# Altium PCB Wl-FRONT.PcbDoc
Units mm, origin at the board's own origin, x right, y up, seen from the top; angles counter-clockwise.
Board outline 140 x 64.5 mm, 2 copper layers (Top Layer, Bottom Layer), stack 1.671 mm thick; 43 components, 42 nets, 207 pads, 150 vias.
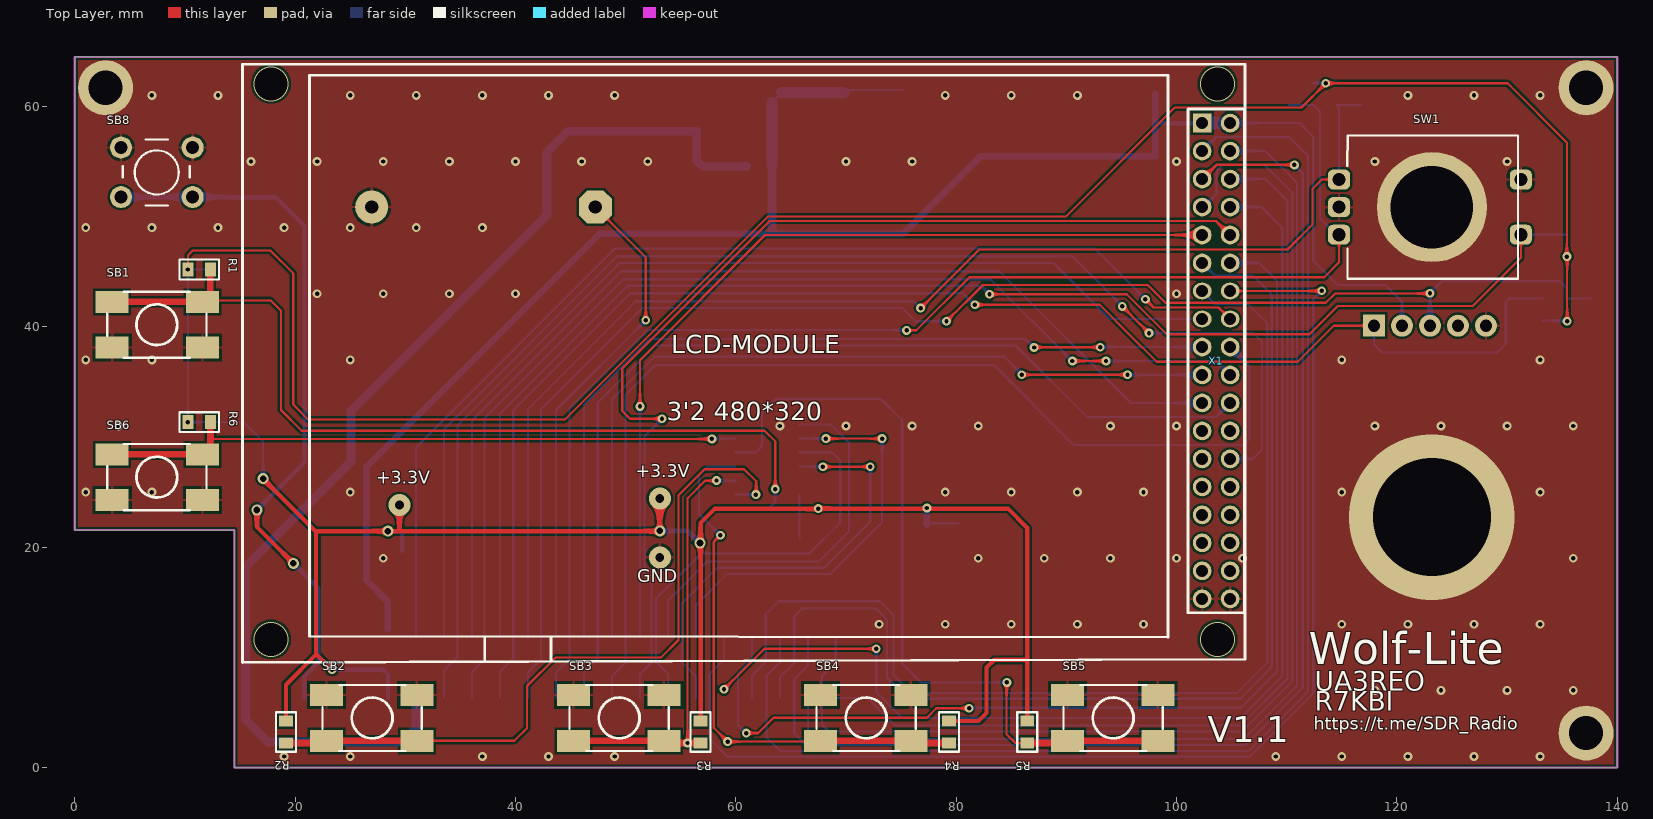
[diagram p0: Top Layer view]
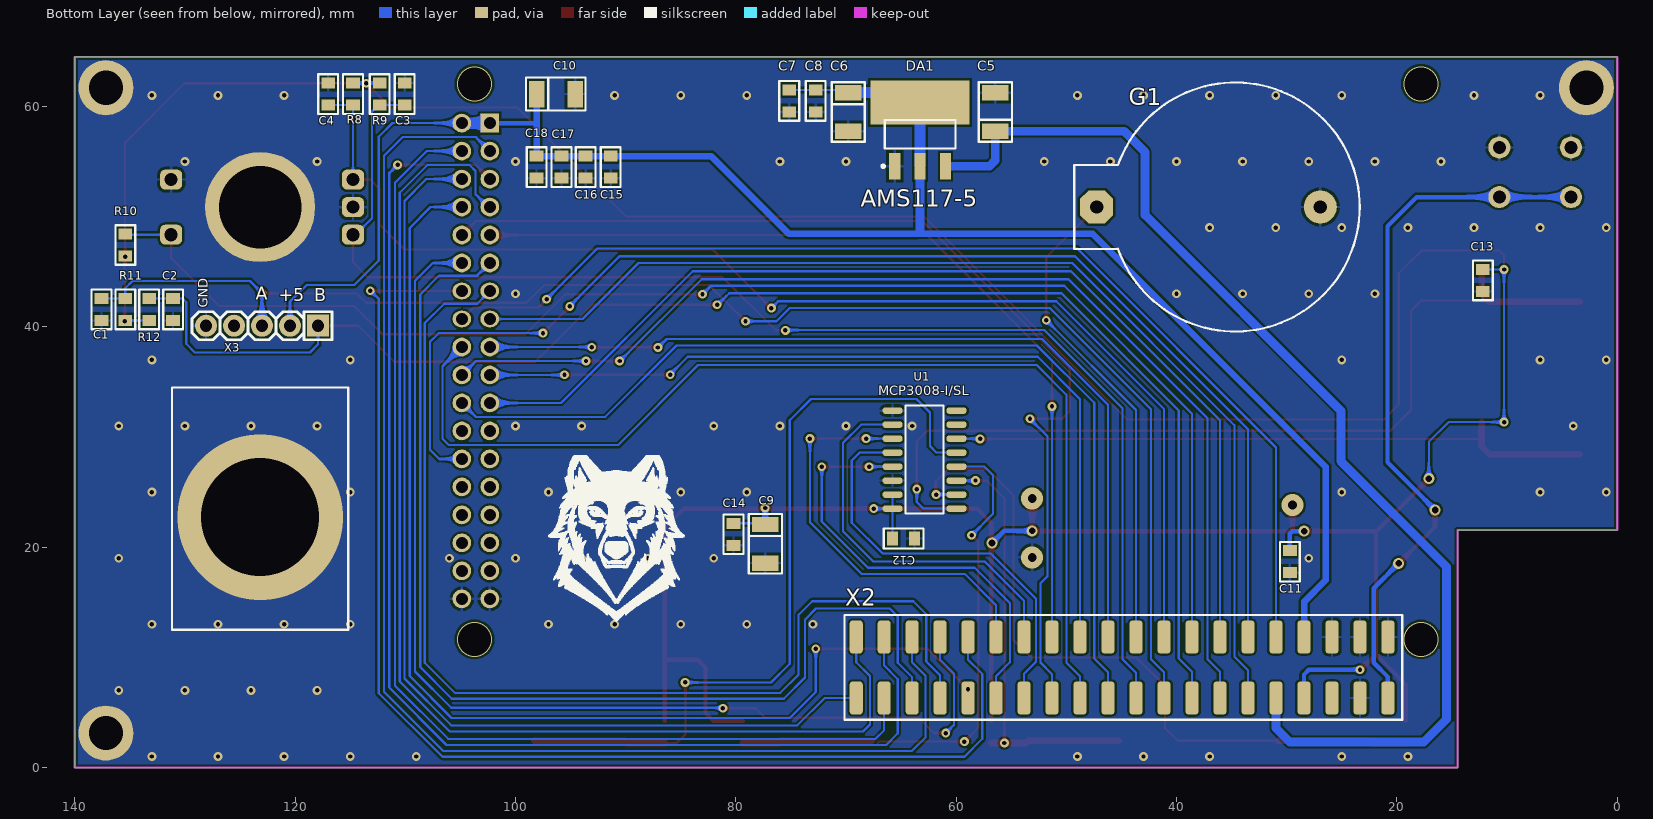
[diagram p1: Bottom Layer view, seen from below]

## Layer stack, top to bottom
Top Solder: solder mask 0.0102, Solder Resist, Dk 3.5
Top Layer: signal copper 0.0356
Dielectric 1: dielectric 1.6, FR-4, Dk 4.8
Bottom Layer: signal copper 0.0356
Bottom Solder: solder mask 0.0102, Solder Resist, Dk 3.5

## Board outline
0,21.55 0,64.5 140,64.5 140,0 14.5,0 14.5,21.55

## Design rules (kind name [scope] priority, off if disabled: settings)
Clearance [All] p1: gap=0.2 ignorepadtopadclearanceinfootprint=FALSE except(0: Arc-Hole Track-Hole SMDPad-Hole THPad-Hole Via-Hole Fill-Hole Poly-Hole Region-Hole Text-Hole)
ComponentClearance [All] p1: gap=0 collisioncheckmode=3 verticalgap=0 showdistances=FALSE
PolygonConnect [All] p1: connectstyle=Relief reliefconductorwidth=0.254 reliefentries=4 polygonreliefangle="90 Angle" airgapwidth=0.254
RoutingVias [All] p1: holewidth=0.711 width=1.27 viastyle="Through Hole" minholewidth=0.711 minwidth=1.27 maxholewidth=0.711 maxwidth=1.27
SolderMaskExpansion [All] p1: expansion=0.102 istentingtop=FALSE
Width [All] p1: maxlimit=1 minlimit=0.15 preferedwidth=0.2
29 further rules are at their usual default settings.

## Components (designator, comment, footprint, x,y, rotation, side; value= is the part's Value field where it differs from the comment)
C1 "0.1" CH0805C 137.575,41.575 r270 bottom
C2 "0.1" CH0805C 131.075,41.575 r270 bottom
C3 "0.1" CH0805C 110.05,61.125 r90 bottom
C4 "0.1" CH0805C 117,61.125 r90 bottom
C5 "10uF 10V" TANTAL_B 56.446,59.5 r90 bottom
C6 "10uF 10V" TANTAL_B 69.8,59.5 r270 bottom
C7 "0.1" CH0805C 75.15,60.5 r270 bottom
C8 "0.1" CH0805C 72.75,60.5 r270 bottom
C9 "10uF 10V" TANTAL_B 77.321,20.307 r270 bottom
C10 "10uF 10V" TANTAL_B 96.333,61.125 r180 bottom
C11 "0.1" CH0805C 29.715,18.68 r270 bottom
C12 "0.1" CH0805C 64.775,20.792 r180 bottom
C13 "0.1" CH0805C 12.202,44.214 r270 bottom
C14 "0.1" CH0805C 80.216,21.169 r270 bottom
C15 "0.1" CH0805C 91.359,54.49 r270 bottom
C16 "0.1" CH0805C 93.632,54.49 r270 bottom
C17 "0.1" CH0805C 95.816,54.49 r270 bottom
C18 "0.1" CH0805C 98.084,54.49 r270 bottom
DA1 "AMS117-5" SOT223 63.275,57.475 r90 bottom
G1 "3V" "BAT: CH224-2032" 37.1,50.875 r180 bottom
R1 "4.7K" CH0805R 11.302,45.2 r0 top
R2 "4.7K" CH0805R 19.175,3.223 r270 top
R3 "4.7K" CH0805R 56.8,3.223 r270 top
R4 "4.7K" CH0805R 79.35,3.223 r270 top
R5 "4.7K" CH0805R 86.45,3.223 r270 top
R6 "4.7K" CH0805R 11.302,31.35 r0 top
R8 "4.7k" CH0805R 114.75,61.125 r270 bottom
R9 "4.7k" CH0805R 112.325,61.125 r270 bottom
R10 "4.7k" CH0805R 135.408,47.425 r90 bottom
R11 "4.7k" CH0805R 135.408,41.575 r90 bottom
R12 "4.7k" CH0805R 133.242,41.575 r90 bottom
SB1 "\"Кнопка\"" "BUT: 6x6 SMD" 7.45,40.19 r0 top
SB2 "\"Кнопка\"" "BUT: 6x6 SMD" 26.996,4.5 r180 top
SB3 "\"Кнопка\"" "BUT: 6x6 SMD" 49.414,4.5 r180 top
SB4 "\"Кнопка\"" "BUT: 6x6 SMD" 71.832,4.5 r180 top
SB5 "\"Кнопка\"" "BUT: 6x6 SMD" 94.25,4.5 r180 top
SB6 "\"Кнопка\"" "BUT: 6x6 SMD" 7.45,26.354 r0 top
SB8 "\"Power\"" "BUT: 6x6" 7.45,54.025 r180 top
SW1 "PEC12" Valkoder-m2 123.351,51.413 r270 top
U1 "MCP3008-I/SL" 16-SOIC 62.9,27.95 r0 bottom
X1 "LCD-MODULE" TFT3.2-320x480-pin 15.039,63.879 r0 top locked
X2 "FPC 0.5" "CON: PBD2x20" 19.76,6.335 r0 bottom locked
X3 "Valcoder" "CON: PLS-5" 123,40.1 r0 bottom

## Footprints (in the part's own frame and the unit in brackets; to place one, negate y for a bottom-side part, rotate by r counter-clockwise, add the part's x,y. Pads: shape width x height; smd on the part's side, far side on the other; paste and mask are expansions set on the pad)
16-SOIC [mm]
  oval 1.85x0.6 smd: 1(-2.925,4.448) 2(-2.925,3.178) 3(-2.925,1.908) 4(-2.925,0.638) 5(-2.925,-0.632) 6(-2.925,-1.902) 7(-2.925,-3.172) 8(-2.925,-4.442) 9(2.875,-4.442) 10(2.875,-3.172) 11(2.875,-1.902) 12(2.875,-0.632) 13(2.875,0.638) 14(2.875,1.908) 15(2.875,3.178) 16(2.875,4.448)
  round 0.7 on Bottom Overlay: 10(-2.9,5.4)
  round 0.7 on Mech2: 25(-2.5,4.3)
  silkscreen extent -1.75,-4.9 1.7,4.9, body extent -3.09,-5.01 3.04,4.96, height 1.73
"BAT: CH224-2032" [mm] "Батарейный отсек для элемента 2032"
  oct 3x3 hole 1.2: 1(-10.151,0)
  round 3 hole 1.2: 2(10.152,0)
  silkscreen extent -12.19,-11.3 13.72,11.3, body extent -11.08,-11 13.42,11, height 8.5
"BUT: 6x6" [mm] "Leaded Tactile Button 6x6"
  round 2 hole 1.2: 1(-3.25,2.25) 1(3.25,2.25) 2(-3.25,-2.25) 2(3.25,-2.25)
  silkscreen extent -3,-2.99 3.1,3.01, body extent -3.15,-2.96 3.25,3.04, height 4.5
"BUT: 6x6 SMD" [mm] "Leaded Tactile Button 6x6"
  rect 3x2 smd: 1(-4.05,2.075) 1(4.15,2.075) 2(-4.05,-2.075) 2(4.15,-2.075)
  silkscreen extent -4.5,-3 4.5,3, body extent -4.5,-3 4.5,3, height 9.5
CH0805C [mm] "Chip Capacitor, 2-Leads, Body 2,00x1,20mm, IPC Medium Density"
  rect 1x1.25 smd: 1(-1,0) 2(1,0)
  silkscreen extent -1.8,-0.9 1.8,0.9, body extent -1,-0.62 1,0.63, height 0.78
CH0805R [mm]
  rect 1x1.25 smd: 1(-1,0) 2(1,0)
  silkscreen extent -1.8,-0.9 1.8,0.9, body extent -1,-0.6 1,0.6, height 0.44
"CON: PBD2x20" [mm]
  round 0.5 on Bottom Overlay: 0(-0.945,-4.715)
  rrect50% 1.2x3 smd: 1(1.055,0.025) 2(1.055,-5.515) 3(3.595,0.025) 4(3.595,-5.515) 5(6.135,0.025) 6(6.135,-5.515) 7(8.675,0.025) 8(8.675,-5.515) 9(11.215,0.025) 10(11.215,-5.515) 11(13.755,0.025) 12(13.755,-5.515) 13(16.295,0.025) 14(16.295,-5.515) 15(18.835,0.025) 16(18.835,-5.515) 17(21.375,0.025) 18(21.375,-5.515) 19(23.915,0.025) 20(23.915,-5.515) 21(26.459,0.025) 22(26.459,-5.515) 23(28.999,0.025) 24(28.999,-5.515) 25(31.539,0.025) 26(31.539,-5.515) 27(34.079,0.025) 28(34.079,-5.515) 29(36.619,0.025) 30(36.619,-5.515) 31(39.159,0.025) 32(39.159,-5.515) 33(41.699,0.025) 34(41.699,-5.515) 35(44.239,0.025) 36(44.239,-5.515) 37(46.779,0.025) 38(46.779,-5.515) 39(49.319,0.025) 40(49.319,-5.515)
  round 0.5 on Mech2: ""(0.455,-4.715)
  silkscreen extent -0.25,-7.5 50.37,2, body extent -0.25,-6.07 50.56,0.47, height 7.5
"CON: PLS-5" [mm]
  rect 2x2 hole 1.1: 1(-5.08,0)
  round 2 hole 1.1: 2(-2.54,0) 3(0,0) 4(2.54,0) 5(5.08,0)
  silkscreen extent -6.35,-1.27 6.35,1.27, body extent -6.35,-1.27 6.35,1.27, height 8.54
SOT223 [mm] "SOT223, 4-Leads, Body 6,50x7,00mm (avg), Pitch 2,30mm, IPC Medium Density"
  rect 2.4x1 smd: 1(-2.9,2.3) 2(-2.9,0) 3(-2.9,-2.3)
  rect 4x9 smd: 4(2.9,0)
  round 0.5 on Mech2: ""(-3,2.7)
  silkscreen extent -3.02,-3.2 1.3,3.48, body extent -3.48,-3.25 3.48,3.25, height 1.65
TANTAL_B [mm]
  rect 1.4x2.4 smd: 1(-1.75,0) 2(1.75,0)
  round 0.5 on Mech2: ""(-1.4,1)
  silkscreen extent -2.7,-1.5 2.7,1.5, body extent -1.85,-1.46 1.85,1.47, height 2.03
TFT3.2-320x480-pin [mm]
  rect 1.7x1.7 hole 1.1: 1(87.286,-5.389)
  round 1.7 hole 1.1: 2(89.826,-5.389) 3(87.286,-7.929) 4(89.826,-7.929) 5(87.286,-10.469) 6(89.826,-10.469) 7(87.286,-13.009) 8(89.826,-13.009) 9(87.286,-15.549) 10(89.826,-15.549) 11(87.286,-18.089) 12(89.826,-18.089) 17(87.286,-25.709) 18(89.826,-25.709) 19(87.286,-28.249) 20(89.826,-28.249) 21(87.286,-30.789) 22(89.826,-30.789) 23(87.286,-33.329) 24(89.826,-33.329) 25(87.286,-35.869) 26(89.826,-35.869) 27(87.286,-38.409) 28(89.826,-38.409) 29(87.286,-40.949) 30(89.826,-40.949) 31(87.286,-43.489) 32(89.826,-43.489) 33(87.286,-46.029) 34(89.826,-46.029) 35(87.286,-48.569) 36(89.826,-48.569)
  oval 1.7x1.5 hole 1.1: 13(87.286,-20.629) 14(89.826,-20.629) 15(87.286,-23.169) 16(89.826,-23.169)
  silkscreen extent 0.18,-54.35 91.18,-0.05
Valkoder-m2 [mm]
  rrect50% 1.8x2 hole 1.2: 1(-1.95,-8.6) 2(0.55,-8.6) 3(3.05,-8.6) 4(-1.95,7.9) 5(3.05,7.9)
  round 10 hole 7.5: 2(0.55,-0.175)
  silkscreen extent -5.95,-7.85 7.05,7.65, body extent -5.97,-7.9 7.12,7.22, height 23.7

## Part data
C1 C2 C3 C4 C7 C8 C11 C12 C13 C14 C15 C16 C17 C18: library part Capacitor
C5 C6 C9 C10: library part TantalCap
DA1: library part AMS117
G1: library part POWER_BAT
R1 R2 R3 R4 R5 R6 R8 R9 R10 R11 R12: library part Resistor
SB1 SB2 SB3 SB4 SB5 SB6 SB8: library part "Tactile switches", "6x6 mm"
SW1: "Encoder"
X2: library part FPC-45-0.5, System=Connector
X3: library part 5-Connector

## Free pads (board coordinates)
  round 5 hole 3.1: 12(2.8,61.7) 12(137.173,3.126) 12(137.173,61.7)

## Via types
v1: diameter 0.8, hole 0.4, Top Layer to Bottom Layer, tented both sides, 136 vias
v2: diameter 1, hole 0.6, Top Layer to Bottom Layer, tented both sides, 6 vias
v3: diameter 3.2, hole 3, Top Layer to Bottom Layer, 4 vias
v4: diameter 2, hole 0.8, Top Layer to Bottom Layer, 3 vias
v5: diameter 15, hole 10.7, Top Layer to Bottom Layer, 1 vias

## Nets (pads, with @x,y where several pads share a name; then routed paths per layer and width w, separated by ;. In a path a pad name is that pad's centre, name@x,y a point inside that pad or via, vN(x,y) a via of type N, cw(c..) or ccw(c..) an arc to the next point about the centre after c; other vN are vias at no path point)
+3.3V: C9.1 C11.1 C12.1 C13.1 C14.1 R1.1 R2.1 R3.1 R4.1 R5.1 R6.1 R8.1 R9.1 R10.1 R11.1 R12.1 U1.15 U1.16 X2.7 | length 368.3
  Top Layer w0.2: v1(10.275,45.2) 10.275,46.5 10.7,46.925 17.75,46.925 19.825,44.85 19.825,32.95 21.2,31.575 39.35,31.575 44.484,31.575 62.909,50 89.95,50 99.85,59.9 111.35,59.9 v1(113.55,62.1) 130.05,62.1 135.425,56.725 v1(135.425,46.375) 135.45,46.35 v1(135.45,40.5)
  Top Layer w0.4: v2@17.15,26.15 21.9,21.4 ; R2.1 19.175,7.525 21.9,10.25 ; v1(23.35,8.875) 23.325,8.875 21.95,10.25 21.9,10.25 ; v4(29.475,23.825) 29.475,21.45 ; v2@53.025,21.45 29.475,21.45 ; v2(53.1,21.475) v4(53.1,24.425) ; R3.1 56.8,22.2 58.075,23.475 v1@67.475,23.475 ; v1(67.475,23.5) 84.7,23.5 86.45,21.75 86.45,9.775 ; R4.1 82.023,4.223 82.75,4.95 82.75,9.075 83.45,9.775 86.45,9.775 ; R5.1 86.45,9.775 ; 21.9,10.25 21.9,21.4 ; 21.9,21.4 21.95,21.45 v2(28.425,21.45) 29.475,21.45
  Bottom Layer w0.2: C13.1 12.188,45.2 v1(10.275,45.2) v1(10.275,31.35) 15.325,31.35 17.1,29.575 v2(17.1,26.225) ; C12.1 U1.16 ; U1.15 U1.16 ; v1(67.475,23.5) 65.777,23.5 U1.16 ; v1@77.3,23.5 v1@77.321,23.479 ; C9.1 77.433,22.169 C14.1 ; R9.1 R8.1 ; R12.1 R11.1
  Bottom Layer w0.4: v1@23.625,8.875 28,8.875 28.435,8.44 X2.7 ; v2(28.425,21.45) 29.48,21.45 29.715,21.216 C11.1 ; v2(53.1,21.475) 55.65,21.475 v2(56.75,20.375)
  Bottom Layer w0.6: C9.1 v1@77.321,23.479
  other v1: 77.344,23.553
+5V: C6.1 C7.1 C8.1 C10.1 C15.1 C16.1 C17.1 C18.1 DA1.2 DA1.4 X1.1 X1.2 X2.8 X3.2 | length 166.4
  Bottom Layer w0.2: DA1.4 DA1.4@64.15,61.25 ; C6.1 70.05,61.5 C8.1 C7.1 ; X1.2 111.16,58.49 112.4,57.25 112.4,46.025 114.625,43.8 118.95,43.8 120.46,42.29 X3.2
  Bottom Layer w0.4: 98.083,58.5 98.093,58.49 X1.1
  Bottom Layer w0.6: X2.8@28.4,12.55 28.4,15.075 26.45,17.025 26.45,27.275 47.625,48.45 63.325,48.45 ; 63.399,48.524 63.462,48.461 75.211,48.461 82.24,55.49 C15.1 91.374,55.475 93.632,55.475 98.083,55.475 98.083,58.5 C10.1
  Bottom Layer w0.8: 63.275,48.675 DA1.2
  Bottom Layer w1: DA1.2 DA1.4 ; DA1.4@64.15,61.25 C6.1 ; X1.1 X1.2
+8Power: C5.1 DA1.3 X2.9 | length 104.2
  Bottom Layer w0.8: X2.9 30.975,3.575 29.703,2.303 17.589,2.303 15.5,4.392 15.5,18.225 25.087,27.812 25.087,32.387 42.85,50.15 42.85,55.85 44.75,57.75 C5.1 56.446,55.104 56.975,54.575 DA1.3
AD1_CS: U1.10@65.775,31.122 X2.28 | length 35.5
  Bottom Layer w0.2: X2.28 53.839,15.139 57.4,18.7 67.525,18.7 70.275,21.45 70.275,29.475 68.628,31.122 U1.10@65.775,31.122
ENC2_CLK: C3.1 R9.2 SW1.3 X2.19 | length 119.7
  Top Layer w0.2: v1(75.5,39.675) 76.375,39.675 81.2,44.5 113.4,44.5 114.751,45.851 SW1.3
  Bottom Layer w0.2: X2.19 43.675,8.6 44.9,9.825 44.9,32.6 52.006,39.706 v1@75.5,39.706 ; C3.1@110.233,60.125 112.45,60.125 113.025,59.55 113.025,49.85 114.512,48.363 SW1.3
ENC2_DT: C4.1 R8.2 SW1.1 X2.18 | length 114.5
  Top Layer w0.2: v1(76.775,41.7) 82.1,47.025 110.075,47.025 112.35,49.3 112.35,52.525 113.188,53.363 SW1.1
  Bottom Layer w0.2: X2.18@41.125,11.7 41.125,32.525 50.925,42.325 76.15,42.325 v1(76.775,41.7) ; R8.2@114.549,60.125 114.751,59.923 SW1.1 ; R8.2@114.699,60.125 C4.1@116.841,60.125
ENC2_SW: R10.2 SW1.5 X2.16 | length 128.7
  Top Layer w0.2: v1(83.025,42.95) 95.475,42.95 99.1,39.325 112.075,39.325 114.65,41.9 126.9,41.9 131.251,46.251 SW1.5
  Bottom Layer w0.2: X2.16 38.595,32.12 50.2,43.725 82.25,43.725 v1(83.025,42.95) ; SW1.5 R10.2@135.408,48.363
ENC_CLK: C2.1 R12.2 X2.15 X3.1 | length 134.5
  Top Layer w0.2: v1(81.7,42) 93.025,42 95.825,39.2 98.2,36.825 111,36.825 114.275,40.1 X3.1
  Bottom Layer w0.2: X2.15 38.595,8.695 39.8,9.9 39.8,32.4 50.45,43.05 80.6,43.05 81.425,42.225 v1@81.675,42.225 ; X3.1 117.92,38.405 118.65,37.675 129.1,37.675 129.875,38.45 129.875,42.225 130.225,42.575 C2.1 R12.2
ENC_DT: C1.1 R11.2 X2.17 X3.3 | length 133.1
  Top Layer w0.2: v1(79.125,40.5) 82.425,43.8 97.375,43.8 99,42.175 113.55,42.175 114.4,43.025 v1@122.975,43.025
  Bottom Layer w0.2: X2.17 41.135,8.635 42.325,9.825 42.325,32.525 51.5,41.7 75.1,41.7 76.3,40.5 v1(79.125,40.5) ; X3.3 v1@123,42.925 ; v1(123,43.05) 124.1,44.15 134.75,44.15 135.408,43.492 R11.2 C1.1
FSMC_A18: X1.19 X2.24 | length 77.8
  Top Layer w0.2: v1@85.95,35.375 86.225,35.65 v1(95.55,35.65)
  Bottom Layer w0.2: X2.24 48.759,33.434 52.6,37.275 84.375,37.275 85.925,35.725 v1@85.925,35.425 ; v1@95.505,35.63 X1.19
  other v1: 85.95,35.65
FSMC_D0: X1.18 X2.23 | length 98.1
  Bottom Layer w0.2: X2.23 48.759,8.284 50,9.525 50,33.825 52.7,36.525 83.425,36.525 90.675,29.275 106.05,29.275 106.625,29.85 106.625,36.41 X1.18
FSMC_D1: X1.17 X2.22 | length 80
  Top Layer w0.2: v1(87.075,38.125) 87.1,38.15 v1(93.075,38.15)
  Bottom Layer w0.2: X2.22 46.219,32.919 52.206,38.906 86.269,38.906 v1@87.05,38.125 ; v1@93.07,38.17 X1.17
FSMC_D2: X1.16 X2.10 | length 101.6
  Top Layer w0.2: v1(97.175,42.5) 97.915,41.76 103.815,41.76 X1.16
  Bottom Layer w0.2: X2.10 30.975,29.05 49.025,47.1 92.575,47.1 v1@97.45,42.225
FSMC_D3: X1.15 X2.11 | length 101.1
  Bottom Layer w0.2: X2.11 33.515,8.84 34.75,10.075 34.75,31.075 49.475,45.8 88.825,45.8 93.915,40.71 X1.15
FSMC_D4: X1.14 X2.32 | length 112.8
  Top Layer w0.2: X1.14 113.15,43.25 v1(113.175,43.275)
  Bottom Layer w0.2: X2.32 58.919,9.794 57.625,8.5 57.625,2.6 59.25,0.975 106.625,0.975 112.4,6.75 112.4,42.525 v1@113.163,43.288
FSMC_D5: X1.13 X2.33 | length 99.8
  Bottom Layer w0.2: X2.33 61.459,8.359 62.725,9.625 62.725,13.925 63.9,15.1 73.075,15.1 74.3,13.875 74.3,8.45 75.975,6.775 105.5,6.775 108.225,9.5 108.225,40.35 106.475,42.1 103.475,42.1 X1.13
FSMC_D6: X1.12 X2.34 | length 100.4
  Top Layer w0.2: v1(60.95,3.125) 62.025,3.125 63.425,4.525 77.35,4.525 78.2,5.375 v1(81.175,5.375)
  Bottom Layer w0.2: v1(60.95,3.125) 60.2,3.875 60.2,8.525 61.459,9.784 X2.34 ; v1(81.175,5.375) 81.225,5.425 82.975,5.425 105.825,5.425 109.125,8.725 109.125,44.175 107.51,45.79 X1.12
FSMC_D7: X1.11 X2.35 | length 100.5
  Bottom Layer w0.2: X2.35 X2.35 64,8.2 65.3,9.5 65.3,13.7 66.025,14.425 72.725,14.425 73.725,13.425 73.725,8.175 75.65,6.25 105.775,6.25 108.65,9.125 108.65,42.925 106.95,44.625 103.49,44.625 X1.11
FSMC_D8: X1.3 X2.36 | length 121
  Bottom Layer w0.2: X2.36 63.999,9.524 62.775,8.3 62.775,2.75 64.025,1.5 65.725,1.5 104.45,1.5 106.55,1.5 111.925,6.875 111.925,7.175 111.925,55.525 110.225,57.225 103.6,57.225 X1.3
FSMC_D9: X1.4 X2.37 | length 102.5
  Bottom Layer w0.2: X2.37 66.539,3.386 67.325,2.6 106.1,2.6 110.925,7.425 110.925,53.075 108.05,55.95 X1.4
FSMC_D10: X1.5 X2.38 | length 114.7
  Top Layer w0.2: X1.5 103.615,54.7 v1(110.7,54.7)
  Bottom Layer w0.2: X2.38 66.539,9.264 65.3,8.025 65.3,3.1 66.35,2.05 106.25,2.05 111.463,7.263 111.463,53.937 v1(110.7,54.7)
FSMC_D11: X1.6 X2.39 | length 93.2
  Bottom Layer w0.2: X2.39 71.94,6.31 74.425,3.825 105.824,3.825 110.075,8.076 110.075,51.425 108.09,53.41 X1.6
FSMC_D12: X1.7 X2.40 | length 109.7
  Bottom Layer w0.2: X2.40 69.079,9.554 67.825,8.3 67.825,3.9 68.45,3.275 105.975,3.275 110.5,7.8 110.5,52.175 108,54.675 104.15,54.675 103.625,54.15 103.625,52.025 102.47,50.87 X1.7
FSMC_D13: X1.8 X2.31 | length 104.8
  Top Layer w0.2: v1(58.925,7.1) 62.6,10.775 v1(72.75,10.775)
  Bottom Layer w0.2: v1@72.75,10.75 72.75,6.85 75.1,4.5 105.8,4.5 109.6,8.3 109.6,48.975 107.705,50.87 X1.8
FSMC_D14: X1.9 X2.26 | length 80.8
  Top Layer w0.2: v1(51.3,32.775) 51.3,36.975 62.655,48.33 X1.9
  Bottom Layer w0.2: X2.26 v1@51.299,32.726
FSMC_D15: X1.10 X2.25 | length 95.7
  Top Layer w0.2: v1(53.3,31.65) 50.4,31.65 49.7,32.35 49.7,36.225 63.075,49.6 103.595,49.6 X1.10
  Bottom Layer w0.2: X2.25 51.299,8.474 52.35,9.525 52.35,16.725 51.7,17.375 51.7,30.05 v1(53.3,31.65)
FSMC_NE1: X1.21 X2.14 | length 96.5
  Bottom Layer w0.2: X2.14 36.055,31.53 49.575,45.05 83.9,45.05 95.86,33.09 X1.21
FSMC_NOE: X1.26 X2.12 | length 115.7
  Top Layer w0.2: v1(95.075,41.85) v1(97.5,39.425)
  Bottom Layer w0.2: X2.12 33.515,30.69 49.225,46.4 90.55,46.4 v1@95.025,41.925 ; v1@97.6,39.425 106.975,39.425 107.763,38.637 107.763,28.85 106.923,28.01 X1.26
FSMC_NWE: X1.20 X2.13 | length 102.4
  Top Layer w0.2: v1(90.55,36.9) v1(93.6,36.9)
  Bottom Layer w0.2: X2.13 36.055,8.705 37.2,9.85 37.2,31.725 49.8,44.325 83.1,44.325 90.525,36.9 v1@90.525,36.875 ; v1(93.6,36.9) 103.595,36.9 X1.20
GB-3.3V: G1.1 X2.20 | length 44.3
  Top Layer w0.2: G1.1 51.825,46.301 v1(51.825,40.6)
  Bottom Layer w0.2: X2.20 43.675,32.45 v1(51.825,40.6)
GND: C1.2 C2.2 C3.2 C4.2 C5.2 C6.2 C7.2 C8.2 C9.2 C10.2 C11.2 C12.2 C13.2 C14.2 C15.2 C16.2 C17.2 C18.2 DA1.1 G1.2 pad.12 SB1.2 SB2.2 SB3.2 SB4.2 SB5.2 SB6.2 SB8.2 SW1.2 SW1.4 U1.9 U1.14 X1.35 X1.36 X2.2 X2.3 X2.4 X2.6 X3.5
  other v1: 19,1 25,1 37,1 43,1 49,1 109,1 115,1 121,1 127,1 133,1 118,7 124,7 130,7 136,7 73,13 79,13 85,13 91,13 97,13 115,13 121,13 127,13 133,13 28,19 82,19 88,19 94,19 100,19 106,19 136,19 1,25 7,25 25,25 79,25 85,25 91,25 97,25 115,25 133,25 4,31 64,31 70,31 76,31 82,31 94,31 100,31 118,31 124,31 130,31 136,31 1,37 7,37 25,37 115,37 133,37 22,43 28,43 34,43 40,43 100,43 1,49 7,49 13,49 19,49 25,49 31,49 37,49 16,55 22,55 28,55 34,55 40,55 46,55 52,55 70,55 76,55 100,55 118,55 130,55 7,61 13,61 25,61 31,61 37,61 43,61 49,61 79,61 85,61 91,61 121,61 127,61 133,61
  other v4: 53.1,19.075
  other v5: 123.169,22.726
NetR1_2: R1.2 SB1.1 U1.1 | length 83.1
  Top Layer w0.2: SB1.1@11.875,42.4 17.775,42.4 18.725,41.45 18.725,32.45 20.6,30.575 62.6,30.575 63.575,29.6 v1@63.575,25.3 ; 12.3,43.95 12.302,43.95
  Top Layer w0.6: SB1.1@3.4,42.265 11.6,42.265 12.302,42.966 12.302,43.95 R1.2
  Bottom Layer w0.2: U1.1 62.977,23.502 63.575,24.1 63.575,25.325 v1@63.6,25.35
  other v1: 63.575,25.275
NetR2_2: R2.2 SB2.1 U1.2 | length 65.7
  Top Layer w0.2: SB2.1@31.046,2.425 39.9,2.425 41.05,3.575 41.05,7.4 43.625,9.975 53.2,9.975 54.8,11.575 54.8,24.725 57.15,27.075 60.75,27.075 61.85,25.975 v1@61.85,24.8
  Top Layer w0.6: R2.2 22.148,2.223 SB2.1@22.35,2.425 ; SB2.1@22.846,2.425 SB2.1@30.8,2.425
  Bottom Layer w0.2: U1.2 59.978,24.775 v1(61.825,24.775)
NetR3_2: R3.2 SB3.1 U1.3 | length 38.9
  Top Layer w0.2: v1(55.625,2.225) 55.625,24.45 57.2,26.025 58.2,26.025 v1@58.25,25.975
  Top Layer w0.6: SB3.1@45.264,2.425 53.464,2.425 53.666,2.223 R3.2
  Bottom Layer w0.2: v1@58.25,25.975 58.3,26.025 59.992,26.025 U1.3
  other v1: 58.25,26.05
NetR4_2: R4.2 SB4.1 U1.4 | length 49.1
  Top Layer w0.2: v1(58.6,21.075) 58,20.475 58,3.6 v1(59.25,2.35) 67,2.35 SB4.1@67.125,2.225
  Top Layer w0.6: SB4.1@67.682,2.425 75.882,2.425 76.084,2.223 R4.2
  Bottom Layer w0.2: v1(58.6,21.075) 56.65,23.025 56.65,26.525 57.437,27.312 U1.4
NetR5_2: R5.2 SB5.1 U1.5 | length 70.9
  Top Layer w0.2: v1@84.575,7.8 84.575,3.027 85.379,2.223 R5.2
  Top Layer w0.6: R5.2 89.898,2.223 90.1,2.425 SB5.1@98.3,2.425
  Bottom Layer w0.2: U1.5 61.782,28.582 62.375,29.175 62.375,32.225 63.6,33.45 73.175,33.45 75.1,31.525 75.1,9.425 76.8,7.725 v1(84.6,7.725)
NetR6_2: R6.2 SB6.1 U1.6 | length 59.2
  Top Layer w0.2: 12.3,30 12.326,29.925 ; 12.327,29.925 12.362,29.825 57.725,29.825 v1@57.775,29.875
  Top Layer w0.6: SB6.1@3.4,28.429 11.6,28.429 12.302,29.131 12.327,29.925 R6.2
  Bottom Layer w0.2: v1@57.825,29.9 57.873,29.852 U1.6
  other v1: 57.825,29.825
ON/OFF: SB8.1 X2.1 | length 64.9
  Top Layer w0.4: v2@16.55,23.275 16.55,21.825 v2(19.85,18.525)
  Bottom Layer w0.4: SB8.1@4.2,51.775 10.7,51.775 18.2,51.775 20.85,49.125 20.85,27.7 v2(16.525,23.375) ; v2@19.95,18.425 22.1,16.275 22.1,9.5 20.815,8.215 X2.1
PERI_MISO: U1.12 X2.27 | length 38.7
  Bottom Layer w0.2: X2.27 53.839,8.511 52.75,9.6 52.75,15.322 56.853,19.425 66.675,19.425 69.475,22.225 69.475,27.875 68.768,28.582 U1.12
PERI_MOSI: U1.11 X2.30 | length 38.1
  Top Layer w0.2: v1(68.175,29.85) v1(73.275,29.85)
  Bottom Layer w0.2: X2.30 56.379,14.729 59.225,17.575 68.6,17.575 73.275,22.25 v1(73.275,29.85) ; U1.11 v1@68.323,29.852
PERI_SCK: U1.13 X2.29 | length 40.7
  Top Layer w0.2: v1(67.9,27.3) v1(72.2,27.3)
  Bottom Layer w0.2: X2.29 56.379,8.296 55.125,9.55 55.125,14.925 58.325,18.125 68,18.125 72.2,22.325 v1(72.2,27.3) v1@72.2,27.45 ; U1.13 v1@67.812,27.312
STM_NRST: X1.22 X2.21 | length 90.1
  Bottom Layer w0.2: X2.21 46.219,8.644 47.475,9.9 47.475,33.1 52.675,38.3 85.375,38.3 91.85,31.825 103.6,31.825 X1.22
pads on no net: C5. C6. C9. C10. DA1. U1.7 U1.8 U1.10@60,22.55 U1.25 X1.23 X1.24 X1.25 X1.27 X1.28 X1.29 X1.30 X1.31 X1.32 X1.33 X1.34 X2. X2.0 X2.5 X3.4
copper on no net:
  other v3: 17.819,11.627 103.719,11.627 17.819,62.046 103.719,62.046

## Polygon pours and split planes (outlines as drawn)
GND on Bottom Layer "GND" (solid, remove dead copper, pour order 3): 0,64.5 0,21.5 14.5,21.5 14.5,0 140,0 140,64.5
GND on Bottom Layer "Bottom Layer-No Net" (solid, pour order 0): 0,64.5 140,64.5 140,0 14.5,0 14.5,21.5 0,21.5
GND on Top Layer "GND" (solid, remove dead copper, pour order 4): 0,64.5 0,21.55 0.05,21.5 14.5,21.5 14.5,0 140,0 140,64.5
GND on Top Layer "Top Layer-No Net" (solid, pour order 2): 0,64.5 0,21.55 0.05,21.5 14.5,21.5 14.5,0 140,0 140,64.5

## Keep-outs
Keep-Out Layer:
  the board outline again, w0.2

## Silkscreen, mask and mechanical layers (free items; w line width, h text height)
Top Overlay:
  text "+3.3V" at 50.9,25.925 h2
  text "+3.3V" at 27.35,25.325 h2
  text "GND" at 51.075,16.425 h2
  text "Wolf-Lite" at 112,8.425 h5
  text "UA3REO" at 112.55,6.366 h3
  text "R7KBI" at 112.55,4.584 h3
  text "https://t.me/SDR_Radio" at 112.475,3.016 h2
  text "V1.1" at 102.825,1.525 h4
Bottom Overlay:
  drawing of 3231 lines, arcs and shapes, not listed
  text "A" at 123.55,42.025 h2
  text "B" at 118.275,41.925 h2
  text "+5" at 121.475,41.9 h2
  text "GND" at 127.6,41.725 h1.5 r270

## Dimensions
0,64.5 to 140,64.5 on Size

## Text inside footprints (layer, text, board x,y; h text height)
X1: Top Overlay "3'2 480*320" at 53.739,31.504 h1.67